# Altium PCB PCB_V6.PcbDoc
Units mil, origin at the board's own origin, x right, y up, seen from the top; angles counter-clockwise.
Board outline 2401.03 x 3703.1 mil, 2 copper layers (Top Layer, Bottom Layer), stack 34.296 mil thick; 79 components, 76 nets, 266 pads, 50 vias.
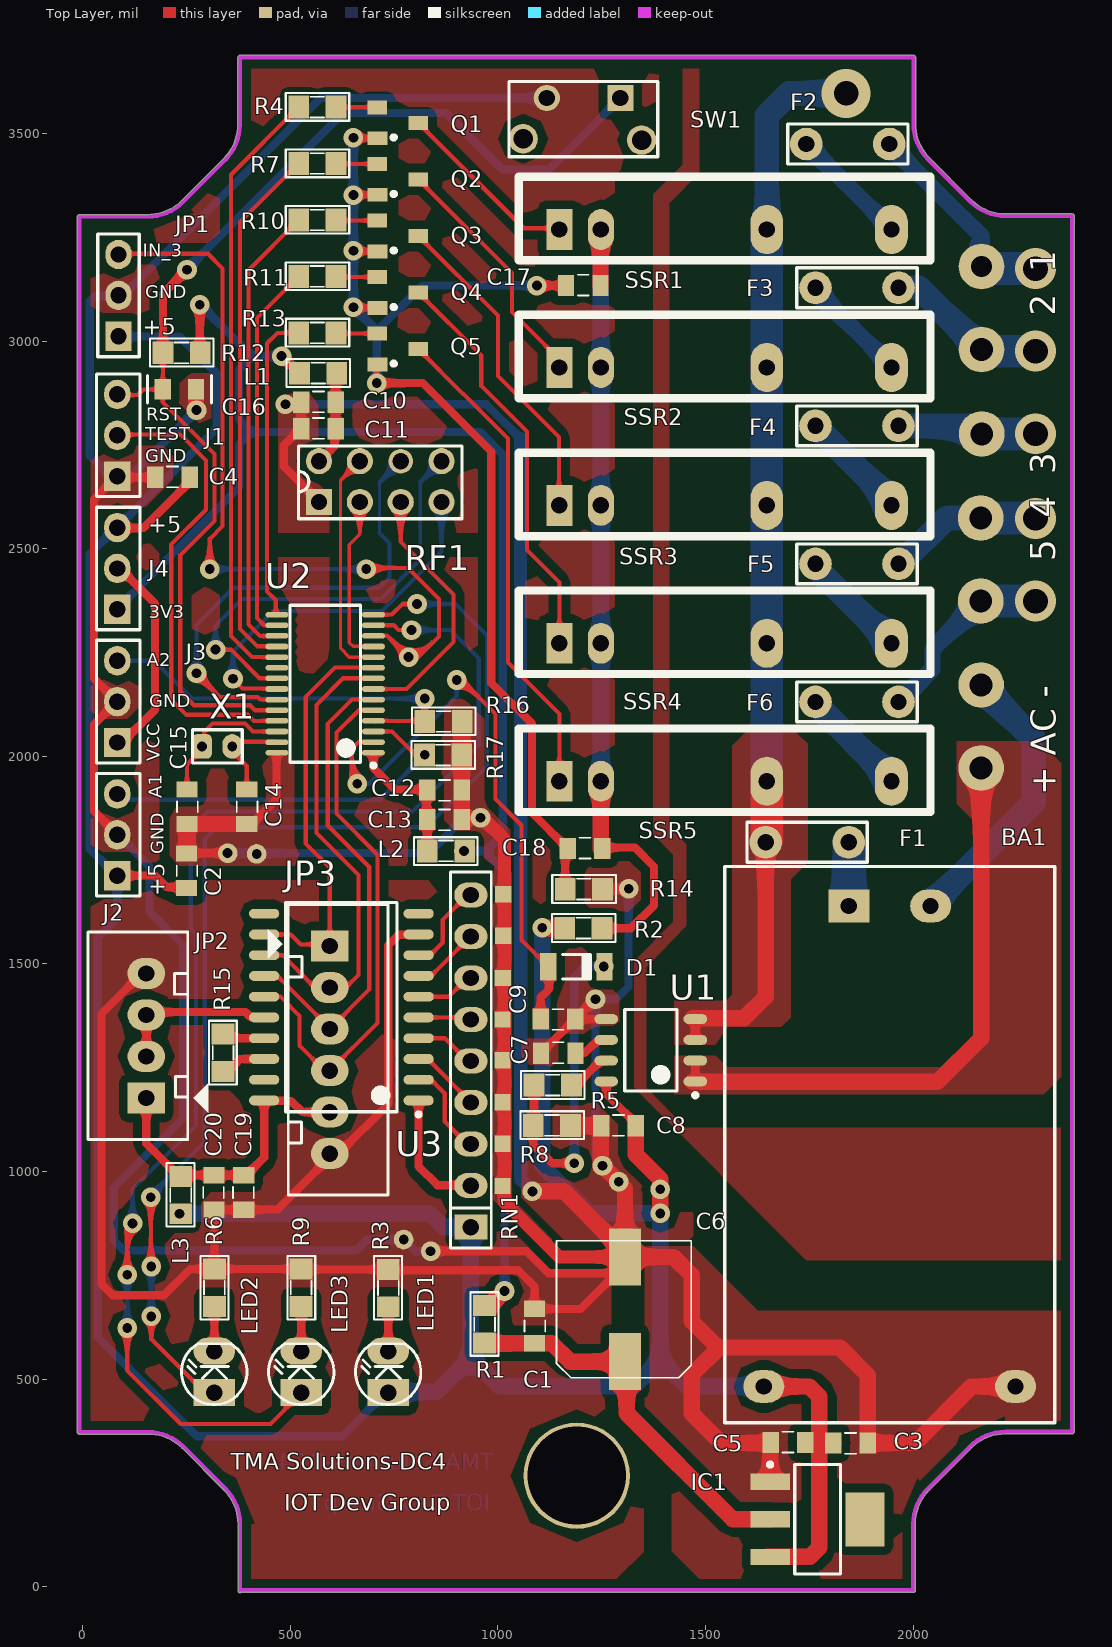
[diagram p0: Top Layer view]
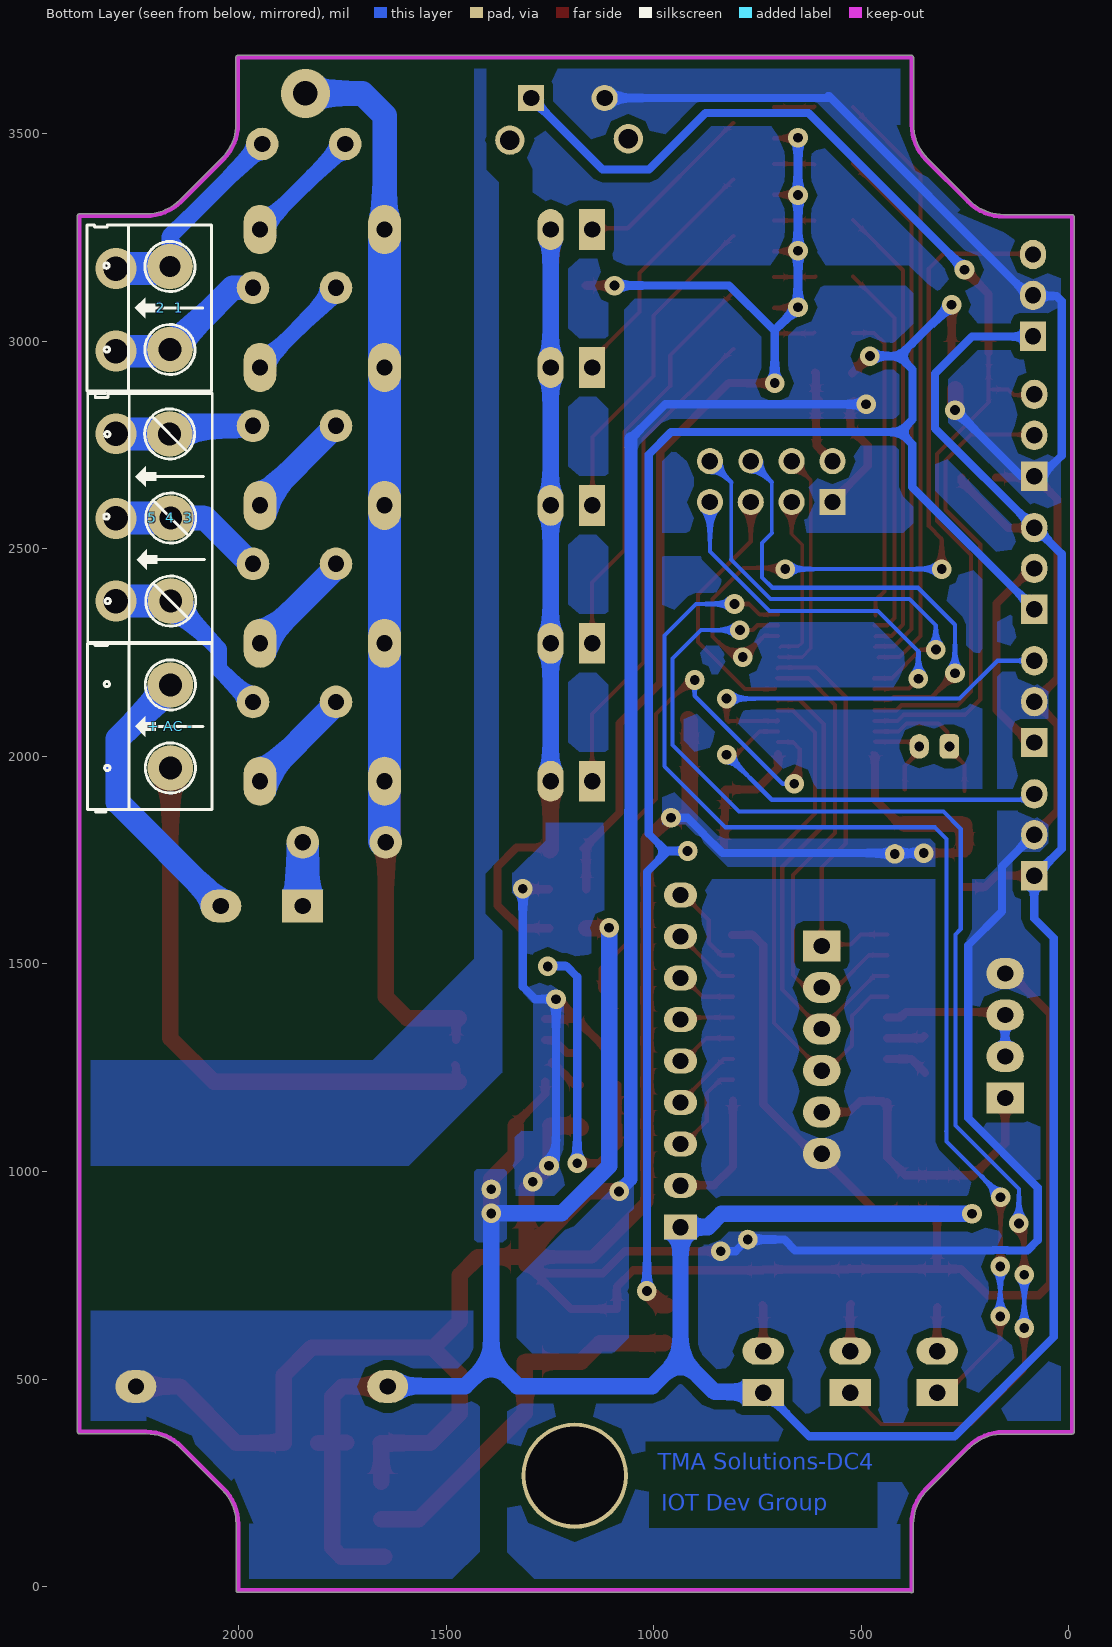
[diagram p1: Bottom Layer view, seen from below]

## Layer stack, top to bottom
Top Solder: solder mask 0.4, Solder Resist, Dk 3.5
Top Layer: signal copper 1.4
Dielectric 1: dielectric 31.4961, FR-4, Dk 4.8
Bottom Layer: signal copper 1.4
Bottom Solder: solder mask 0.4, Solder Resist, Dk 3.5

## Board outline
157,367.45 cw(c157,251.75) 238.81,333.56 340.1,232.27 cw(c343.64,235.82) 340.08,232.29 340.1,232.27 cw(c258.29,150.46) 373.99,150.46 373.99,-9.54 ccw(c379,-9.54) 382.1,-13.48 1998.28,-13.48 ccw(c2000.54,-9) 2005.55,-9 2005.55,151 cw(c2121.25,151) 2039.44,232.81 2140.73,334.1 cw(c2137.18,337.64) 2140.71,334.08 2140.73,334.1 cw(c2222.54,252.29) 2222.54,367.98 2382.54,367.98 ccw(c2382.54,373) 2382.77,367.99 ccw(c2383,373) 2388.01,373 2388.01,3301.54 ccw(c2383,3301.54) 2383,3306.55 2223,3306.55 cw(c2223,3422.25) 2141.19,3340.44 2039.9,3441.73 cw(c2036.36,3438.18) 2039.92,3441.71 2039.9,3441.73 cw(c2121.71,3523.54) 2006.01,3523.54 2006.01,3683.54 ccw(c2001,3683.54) 2001,3688.55 379,3688.55 ccw(c379,3683.54) 374.06,3684.4 ccw(c378.46,3682) 373.45,3682 373.45,3522 cw(c257.75,3522) 339.56,3440.19 ccw(c343.11,3436.64) 339.55,3440.17 339.56,3440.19 238.27,3338.9 cw(c241.82,3335.36) 238.29,3338.92 238.27,3338.9 cw(c156.46,3420.71) 156.46,3305.02 -8,3305.02 ccw(c-8,3300) -13.01,3300 -13.01,372.46 ccw(c-8,372.46) -8,367.45

## Design rules (kind name [scope] priority, off if disabled: settings)
Clearance [All] p1: gap=20 ignorepadtopadclearanceinfootprint=FALSE
DiffPairsRouting [All] p1: maxlimit=20 minlimit=20 mostfreqgap=20 toplayer_minwidth=15 toplayer_maxwidth=15 toplayer_prefwidth=15 bottomlayer_minwidth=15 bottomlayer_maxwidth=15 bottomlayer_prefwidth=15 maxuncoupledlength=500
PlaneClearance [All] p1: clearance=22
PlaneConnect [All] p1: planeconnectstyle=Direct reliefexpansion=20 reliefentries=4 reliefconductorwidth=10 reliefairgap=10
PolygonConnect [All] p1: connectstyle=Direct reliefconductorwidth=10 reliefentries=4 polygonreliefangle="90 Angle" airgapwidth=10
RoutingVias [All] p1: holewidth=23.62 width=47.24 viastyle="Through Hole" minholewidth=23.62 minwidth=47.24 maxholewidth=23.62 maxwidth=47.24
SolderMaskExpansion [All] p1: expansion=4
UnRoutedNet [All] p1: checkbadconnections=TRUE
Width [All] p1: maxlimit=39.37 minlimit=10 preferedwidth=19.68
26 further rules are at their usual default settings.

## Components (designator, comment, footprint, x,y, rotation, side; value= is the part's Value field where it differs from the comment)
"2  1" "Header 2" HED2#1 2165,2980 r90 bottom (schematic designator HD2)
"5  4  3" "Header 3" HED3 2163,2374 r90 bottom (schematic designator HD3)
"+ AC -" "Header 2" HED2#2 2164,1972 r90 bottom (schematic designator HD1)
BA1 "*" "bien ap 5V-700ma" 1845.35,1639.48 r0 top
C1 "103" CM-0805 1088,628 r270 top
C2 "103" CM-0805 250,1725 r270 top
C3 "103" CM-0805 1850,346 r180 top
C4 "103" CM-0805 216,2672 r0 top
C5 "103" CM-0805 1698,347 r0 top
C6 "220uF" CAPAE7053X54M 1306,668 r90 top
C7 "104" CM-0805 1145,1285 r0 top value=103
C8 "104" CM-0805 1290,1110 r0 top value=103
C9 "103" CM-0805 1145,1367 r180 top
C10 "104" CM-0805 567,2853 r0 top value=103
C11 "105" CM-0805 567,2789 r0 top value=103
C12 "105" CM-0805 872,1919.09 r180 top value=103
C13 "104" CM-0805 872,1848.09 r180 top value=103
C14 "12P" CM-0805 395,1879 r270 top value=103
C15 "12P" CM-0805 251,1879 r270 top value=103
C16 "Capacitor Ceramic" C0805 232.88,2884 r180 top value=33p
C17 "105" CM-0805 1205,3134 r0 top value=103
C18 "103" CM-0805 1209,1778 r0 top
C19 "105" CM-0805 388,949 r90 top value=103
C20 "103" CM-0805 316,949 r90 top
D1 "1N4148" DIOMELF3615N 1189,1493 r180 top
F1 "A2" "Fuse 2A - duplicate" 1645,1793 r0 top
F2 "*" "Fuse 2A - duplicate" 1743,3475 r0 top
F3 "*" "Fuse 2A - duplicate" 1765,3128.67 r0 top
F4 "*" "Fuse 2A - duplicate" 1765,2796.11 r0 top
F5 "*" "Fuse 2A - duplicate" 1765,2463.56 r0 top
F6 "*" "Fuse 2A - duplicate" 1765,2131 r0 top
IC1 "LM1117" SOT223-4N 1770,162 r0 top value=LM317
J1 "Debug" Con3 83,2675 r180 top
J2 "con3" Con3 83,1712.57 r180 top
J3 "con3" Con3 83,2033.38 r180 top
J4 "Jumper" Con3 83,2354.19 r180 top
JP1 "JP3" CON3 86,3012 r180 top value="Connector 3"
JP2 "RF2" CON4 153,1177 r90 top value="Connector 4"
JP3 "JP6" CON6 595,1543 r270 top value="Connector 6"
L1 "10uH" SM-RES-0805 612,2923 r180 top value="R1/4W - 1K"
L2 "10uH" SM-RES-0805 830,1772.09 r0 top value="R1/4W - 1K"
L3 "10uH" SM-RES-0805 236,988 r270 top value="R1/4W - 1K"
LED1 "LED" LED-3 736,467 r90 top value="LED 3 ly Single Colour"
LED2 "LED" LED-3 317,467 r90 top value="LED 3 ly Single Colour"
LED3 "LED" LED-3 526.5,467 r90 top value="LED 3 ly Single Colour"
Q1 "C1815" SOT23B 759,3526 r270 top
Q2 "C1815" SOT23B 759,3389.75 r270 top
Q3 "C1815" SOT23B 759,3253.5 r270 top
Q4 "C1815" SOT23B 759,3117.25 r270 top
Q5 "C1815" SOT23B 759,2981 r270 top
R1 "1ohm" SM-RES-0805 968,677 r270 top value="R1/4W - 1K"
R2 "1ohm" SM-RES-0805 1251,1586 r180 top value="R1/4W - 1K"
R3 "1k" SM-RES-0805 736,764 r270 top value="R1/4W - 1K"
R4 "1k" SM-RES-0805 610,3564 r180 top value="R1/4W - 1K"
R5 "1k" SM-RES-0805 1177,1208 r180 top value="R1/4W - 1K"
R6 "1k" SM-RES-0805 317,675 r90 top value="R1/4W - 1K"
R7 "1k" SM-RES-0805 610,3428 r180 top value="R1/4W - 1K"
R8 "1k" SM-RES-0805 1175,1111 r180 top value="R1/4W - 1K"
R9 "1k" SM-RES-0805 526,675 r90 top value="R1/4W - 1K"
R10 "1k" SM-RES-0805 610,3292 r180 top value="R1/4W - 1K"
R11 "1k" SM-RES-0805 610,3156 r180 top value="R1/4W - 1K"
R12 "47k" SM-RES-0805 283,2972 r180 top value="R1/4W - 1K"
R13 "1k" SM-RES-0805 610,3020 r180 top value="R1/4W - 1K"
R14 "1ohm" SM-RES-0805 1252,1680 r180 top value="R1/4W - 1K"
R15 "1m" SM-RES-0805 338,1331 r270 top value="R1/4W - 1K"
R16 "1k" SM-RES-0805 914,2084 r180 top value="R1/4W - 1K"
R17 "1k" SM-RES-0805 913,2003 r180 top value="R1/4W - 1K"
RF1 "*" "CC1101 - duplicate1" 569,2612.57 r90 top
RN1 "10K" RN8 935,866 r90 top value="Tro thanh 10K"
SSR1 "*" "OMRON g3mb" 1148,3269 r90 top
SSR2 "*" "OMRON g3mb" 1148,2936.75 r90 top
SSR3 "*" "OMRON g3mb" 1148,2604.5 r90 top
SSR4 "*" "OMRON g3mb" 1148,2272.25 r90 top
SSR5 "*" "OMRON g3mb" 1148,1940 r90 top
SW1 "RST" BUTTON 1306.81,3586 r270 top
U1 "ACS712" SOIC127P600X265-8N 1368.28,1292 r180 top
U2 "MSP430G2553" TSOP65P640X120-28N 584,2175 r180 top
U3 "*" SOP127P1040X265-20N 623,1396 r180 top
X1 "32768Hz" 32768hz 289.13,2024 r0 top

## Footprints (in the part's own frame and the unit in brackets; to place one, negate y for a bottom-side part, rotate by r counter-clockwise, add the part's x,y. Pads: shape width x height; smd on the part's side, far side on the other; paste and mask are expansions set on the pad)
32768hz [mm]
  rrect50% 1.2x1.5 hole 0.6: 1(-0.044,0)
  oval 1.2x1.5 hole 0.6: 2(1.8,0)
  silkscreen extent -0.64,-1.02 2.41,1.02, body extent -0.13,-6.87 1.87,0.27, height 2.2
"bien ap 5V-700ma" [mm]
  rect 2.5x2 hole 1: 1(0,0)
  oval 2.5x2 hole 1: 2(5,0) 3(10.2,-29.4) 4(-5.2,-29.4)
  silkscreen extent -7.6,-31.62 12.6,2.41, body extent -7.63,-31.48 12.57,2.52, height 15.1
BUTTON [mm]
  rect 1.6x1.6 hole 1: 1(0,-0.3)
  round 1.6 hole 1: 2(0,-4.8)
  round 1.8 hole 1.2: ""(2.5,-6.25) ""(2.58,1)
  silkscreen extent -1,-7.11 3.61,1.98, body extent -5.92,-6.83 3.98,1.67, height 8.4
C0805 [mil] "Chip Resistor; Body 2.0 x 1.3 mm (LxW typ)"
  rect 39.37x50 smd: 1(-40,0) 2(40,0)
  silkscreen extent -77,-33 77,33, body extent -39,-25 39,25, height 31
CAPAE7053X54M [mm] "Aluminum Electrolytic Capacitor, Body 5.30x5.30x5.40mm, IPC Low Density"
  rect 3.5x1.95 smd: 1(-3.2,0) 2(3.2,0)
  silkscreen extent -4.19,-4.06 4.19,4.19, body extent -4.57,-4.06 4.43,4.24, height 6.9
"CC1101 - duplicate1" [mm]
  rect 1.6x1.6 hole 1: 1(0,0)
  round 1.6 hole 1: 2(2.5,0) 3(0,-2.5) 4(2.5,-2.5) 5(0,-5) 7(0,-7.5) 8(2.5,-7.5)
  round 1.5 hole 1: 6(2.5,-5)
  silkscreen extent -1.02,-8.75 3.43,1.25, body extent -1.91,-11.3 77.95,3.56, height 10.75
CM-0805 [mm] "Capacitor SMD 80x50mil"
  rect 1x1.3 smd: 1(-1.041,0) 2(1.067,0)
  silkscreen extent -0.33,-0.61 0.36,0.66, body extent -1.01,-0.61 1.01,0.66, height 0.61
Con3 [mm]
  rect 1.6x1.8 hole 1: 1(0,0)
  oval 1.6x1.8 hole 1: 2(0,-2.5) 3(0,-5)
  silkscreen extent -1.4,-6.25 1.27,1.25, body extent -1.27,-6.27 1.27,1.35, height 9.5
CON3 [mm]
  rect 1.6x1.8 hole 1: 1(0,0)
  oval 1.6x1.8 hole 1: 2(0,-2.5) 3(0,-5)
  silkscreen extent -1.27,-6.25 1.27,1.25, body extent -1.27,-6.27 1.27,1.35, height 9.5
CON4 [mil] "CON4"
  rect 75x90 hole 39.37: 1(0,0)
  oval 75x90 hole 39.37: 2(100,0) 3(200,0) 4(300,0)
  silkscreen extent -100,-150 400,140, body extent -50,-94 350,138, height 462
CON6 [mil] "CON6"
  rect 75x90 hole 39.37: 1(0,0)
  oval 75x90 hole 39.37: 2(100,0) 3(200,0) 4(300,0) 5(400,0) 6(500,0)
  silkscreen extent -100,-150 600,140
DIOMELF3615N [mm] "MELF Diode, 2-Leads, Body 3,55x1,45mm, IPC Medium Density"
  rect 1x1.7 smd: 1(-1.725,0) 2(1.725,0)
  silkscreen extent -0.85,-0.75 0.85,0.75, body extent -1.85,-0.76 1.85,0.84, height 1.6
"Fuse 2A - duplicate" [mm]
  round 2 hole 1 paste+0: 1(0,0)
  round 2 hole 1: 2(5.08,0)
  silkscreen extent -1.14,-1.22 6.22,1.22, body extent -1.11,-0.82 6.29,0.88, height 16
HED2#1 [mil] "Header 2, 2 pin, hight 300mil, Pin to Pin 200, Colour Green"
  round 110 hole 55.12: 1(0,0)
  round 110 hole 50: 2(200,0)
  silkscreen extent -106,-100 300,200, body extent -98,-127 302,168, height 394
HED2#2 [mil] "Header 2, 2 pin, hight 300mil, Pin to Pin 200, Colour Green"
  round 110 hole 55.12: 1(0,0) 2(200,0)
  silkscreen extent -106,-100 300,200, body extent -98,-127 302,168, height 394
HED3 [mil] "Header 3, 3 pin, hight 300mil, Pin to Pin 200, Colour Green"
  round 110 hole 55.12: 1(0,0) 2(200,0) 3(402.62,2.62)
  silkscreen extent -106,-100 500,200, body extent -99,-96 501,199, height 394
LED-3 [mil] "LED 2 PIN, 3ly Only colour"
  rect 65x100 hole 39.37: 1(0,0)
  oval 65x100 hole 39.37: 2(100,0)
  silkscreen extent -29,-78 118,79, body extent -25,-75 113,75, height 217
"OMRON g3mb" [mm]
  oval 3x2 hole 1: 1(0,-20.32) 2(0,-12.7)
  oval 2.5x1.6 hole 1: 3(0,-2.54)
  rect 2.5x1.6 hole 1: 4(0,0)
  silkscreen extent -1.88,-22.71 3.23,2.49, body extent -1.58,-22.36 2.92,2.14, height 14.3
RN8 [mil] "R SIP8, 9 Pin"
  rect 60x80 hole 39.37: 1(0,0)
  oval 60x80 hole 39.37: 2(100,0) 3(200,0) 4(300,0) 5(400,0) 6(500,0) 7(600,0) 8(700,0) 9(800,0)
  silkscreen extent -50,-49 855,49, body extent -43,-26 843,23, height 259
SM-RES-0805 [mil] "R 1/4W, 2 Pin, 350mil"
  rect 50x55 smd: 1(0,0) 2(90,0)
  silkscreen extent -32,-34 121,33, body extent 6,-25 84,25, height 31
SOIC127P600X265-8N [mm] "SOIC, 8-Leads, Body 4,95x3,95mm, Pitch 1,27mm, IPC Medium Density"
  oval 1.45x0.6 smd: 1(-2.725,1.905) 2(-2.725,0.635) 3(-2.725,-0.635) 4(-2.725,-1.905) 5(2.725,-1.905) 6(2.725,-0.635) 7(2.725,0.635) 8(2.725,1.905)
  silkscreen extent -2.85,-2.5 1.6,2.88, body extent -3,-2.45 3,2.45, height 1.7
SOP127P1040X265-20N [mm] "SOP, 20-Leads, Body 12.80x7.50mm, Pitch 1.27mm, IPC Medium Density"
  oval 1.85x0.6 smd: 1(-4.725,5.715) 2(-4.725,4.445) 3(-4.725,3.175) 4(-4.725,1.905) 5(-4.725,0.635) 6(-4.725,-0.635) 7(-4.725,-1.905) 8(-4.725,-3.175) 9(-4.725,-4.445) 10(-4.725,-5.715) 11(4.725,-5.715) 12(4.725,-4.445) 13(4.725,-3.175) 14(4.725,-1.905) 15(4.725,-0.635) 16(4.725,0.635) 17(4.725,1.905) 18(4.725,3.175) 19(4.725,4.445) 20(4.725,5.715)
  silkscreen extent -4.85,-6.4 3.4,6.69, body extent -5.15,-6.35 5.15,6.35, height 2.51
SOT23B [mm] "SOT 23B"
  rect 0.85x1.2 smd: 1(0.94,-1.245) 2(0,1.25) 3(-0.95,-1.25)
  silkscreen extent 0.77,-0.38 1.02,-0.13, body extent -1.5,-1.3 1.5,1.2, height 1.06
SOT223-4N [mm] "SOT223, 4-Leads, Body 6.5x3.5mm, Pitch 2.3mm, Lead Span 7mm, IPC Medium Density"
  rect 2.4x1 smd: 1(-2.9,2.3) 2(-2.9,0) 3(-2.9,-2.3)
  rect 2.4x3.3 smd: 4(2.9,0)
  silkscreen extent -3.02,-3.35 1.4,3.47, body extent -3.39,-3.27 3.5,3.23, height 1.72
TSOP65P640X120-28N [mm] "TSOP, 28-Leads, Body 9.60x4.40mm, Pitch 0.65mm, IPC Medium Density"
  oval 1.4x0.35 smd: 1(-2.95,4.225) 2(-2.95,3.575) 3(-2.95,2.925) 4(-2.95,2.275) 5(-2.95,1.625) 6(-2.95,0.975) 7(-2.95,0.325) 8(-2.95,-0.325) 9(-2.95,-0.975) 10(-2.95,-1.625) 11(-2.95,-2.275) 12(-2.95,-2.925) 13(-2.95,-3.575) 14(-2.95,-4.225) 15(2.95,-4.225) 16(2.95,-3.575) 17(2.95,-2.925) 18(2.95,-2.275) 19(2.95,-1.625) 20(2.95,-0.975) 21(2.95,-0.325) 22(2.95,0.325) 23(2.95,0.975) 24(2.95,1.625) 25(2.95,2.275) 26(2.95,2.925) 27(2.95,3.575) 28(2.95,4.225)
  silkscreen extent -3.08,-4.8 2.16,5.12, body extent -2.12,-4.8 2.38,4.8, height 1.2

## Part data
"2  1" "+ AC -": library part Hed2, "Header 2 (Green)"
"5  4  3": library part Hed3, "Header 3 (Green)"
BA1 C6 D1 F1 F2 F3 F4 F5 F6 SSR1 SSR2 SSR3 SSR4 SSR5 SW1 U2: library part Component_1
C1 C2 C3 C4 C5 C7 C8 C9 C10 C11 C12 C13 C14 C15 C17 C18 C19 C20: library part CM, "Cap SMD"
C16: library part CapSMD, "Capacitor", LatestRevisionDate=17-Jul-2002, LatestRevisionNote="Re-released for DXP Platform.", PackageReference=RAD-0.3, Published=8-Jun-2000, Publisher="Altium Limited"
IC1: "Available in 1.8V, 2.5V, 2.85V, 3.3V, 5V, and  Adjustable Versions"
J1 J4: library part con3
JP1: library part Con3, "Connector 3"
JP2: library part Con4, "Connector 4"
JP3: library part Con6, "Connector 6"
L1 L2 L3 R1 R2 R3 R4 R5 R6 R7 R8 R9 R10 R11 R12 R13 R14 R15 R16 R17: library part R1/4W, "Resistor 1/4W"
LED1 LED2 LED3: "LED Single colour Green and Red"
Q1 Q2 Q3 Q4 Q5: "NPN 600mW, ECB", =C2383
RF1: library part CC1101
RN1: library part RN8, "Resistor 8 (Thanh)"
U3: library part PT2272

## Free pads (board coordinates)
  rect 39.37x39.37 smd: 0(1011,965) 5(1011,1067) 6(1011,1167) 7(1011,1268) 8(1011,1366) 9(1012,1466) 10(1013,1568) 11(1013,1668)
  round 47.24 hole 23.62: 2(419,1765) 3(773,836) 4(1391,957)
  round 255.91 hole 236.22: ""(1189.91,267.13)

## Via types
v1: diameter 47.24, hole 23.62, Top Layer to Bottom Layer, 44 vias
v2: diameter 98.43, hole 59.06, Top Layer to Bottom Layer, 5 vias
v3: diameter 118.11, hole 59.06, Top Layer to Bottom Layer, 1 vias

## Nets (pads, with @x,y where several pads share a name; then routed paths per layer and width w, separated by ;. In a path a pad name is that pad's centre, name@x,y a point inside that pad or via, vN(x,y) a via of type N, cw(c..) or ccw(c..) an arc to the next point about the centre after c; other vN are vias at no path point)
3V3: J4.1 L1.2 L2.2 R1.1 R12.1 | length 4014.1
  Top Layer w19.68: R12.1@282,2969 v1(282,3088) ; v1(479,2964) 479,2966 L1.2
  Top Layer w39.37: R1.1 981,677 v1(1016,712)
  Bottom Layer w19.68: J4.1 83,2355 377,2649 377,2752 406,2781 ; v1(282,3088) 280,3088 v1@278,3090 ; v1(479,2964) 408,2964 ; v1(918,1772) 966,1772 968,1770 ; v1(1016,712) 1016,1720 1015,1721 1016,1722 968,1770 ; v1@278,3090 276,3092 274,3090 v1@278,3090 ; v1@278,3090 281,3090 377,2994 378,2994 408,2964 ; 406,2781 958,2781 1011.59,2727.41 1011.59,1813.59 968,1770 ; 406,2781 376,2811 376,2932 408,2964
+5: BA1.4 C2.2 C3.2 C4.2 C5.2 C8.2 IC1.3 J2.1 J4.3 JP1.1 L3.2 LED1.1 pad.4 R2.2 RN1.1 U1.8 | length 8526.2
  Top Layer w19.68: J2.1 174.43,1712.57 202,1685 C2.2@253,1685 ; J4.3@88,2548 90,2550 146,2550 258,2662 C4.2 ; v1(233,898) 232,898 234,896 L3.2 ; U1.8 1261,1187 C8.2@1333,1115
  Top Layer w39.37: v1@1106,1586 R2.2 R2.2@1162,1586 ; C8.2 1332,1041 1391,982 ; v1(1391,899) 1391,956 pad.4@1391.5,956.5 ; pad.4 1391,981 ; BA1.4@1636.7,482 BA1.4 1750,482 1774,458 1774,348 ; IC1.3@1649,72 1752,72 1774,94 1774,347 ; C5.2 1774,347 ; 1771,351 1774,348 ; C3.2 1776,346 1774,348 ; 1774,347 1774,348
  Bottom Layer w19.68: J2.1 83,1609 36,1562 36,601 275,362 625,362 LED1.1@729,466 ; J2.1@84,1714 80,1714 16.84,1777.16 16.84,2487.84 80.04,2551.04 J4.3 322,2790.04 322,2922 233,3011 JP1.1@87,3011 ; LED1.1@738,475 LED1.1@729,466 ; LED1.1@740,466 LED1.1@729,466 ; RN1.1@906,870 RN1.1@936,870
  Bottom Layer w39.37: v1(233,898) 837,898 869,866 RN1.1 935,551 ; LED1.1@735,469 853,469 935,551 ; v1(1107,1587) 1107,1013 1221,899 v1(1391,899) 1391,546 ; BA1.4@1643,479 1639,483 1454,483 1391,546 ; 935,551 1003,483 1328,483 1391,546
GND: BA1.3 C1.1 C2.1 C3.1 C4.1 C5.1 C6.2 C7.1 C8.1 C9.1 C10.1 C11.1 C12.1 C13.1 C14.2 C15.2 C16.1 C19.1 C20.1 IC1.1 J1.1 J2.2 J3.2 JP1.2 JP2.4 JP3.6 pad.0 pad.2 pad.3 pad.5 pad.6 pad.7 pad.8 pad.9 pad.10 pad.11 R3.1 R6.2 R8.1 R9.2 R14.1 R16.1 R17.1 RF1.1 SW1.2 U1.5 U2.28 U3.9 | length 17957.7
  Top Layer w10: U2.28@467,2002 U2.28@473,2008
  Top Layer w19.68: J1.1@83,2672 C4.1 ; J2.2@86,1810 85,1810 26.84,1868.16 26.84,2076.84 81.81,2131.81 J3.2 26.84,2187.97 26.84,2618.84 82,2674 J1.1@86,2674 ; JP2.4 142,1477 45,1380 45,729 72,702 196,702 259,765 R6.2 ; C2.1 251,1767 v1(349,1767) ; C20.1@312,905 317,900 R6.2 ; C20.1 379,908 C19.1@380,907 ; C19.1 469,908 592,1031 JP3.6@592,1043 ; C14.2 408,1837 467,1896 U2.28@467,2002 ; v1(488,2848) 510,2848 518,2856 C10.1@521,2853 ; R9.2 R6.2 ; C11.1 C11.1@526,2791 ; C10.1@526,2849 C11.1@526,2791 ; R9.2@528,767 531,764 R3.1 738,762 1049,762 1088,723 1088,713 ; RF1.1 569,2614 484,2699 484,2749 C11.1@526,2791 ; JP3.6@591,1046 594,1043 JP3.6 616,1043 736,1163 736,1545 761,1570 U3.9@811,1570 ; v1(838,808) 1069,808 1122,755 1272,755 1276,759 1276,789 1280.98,793.98 C6.2@1292,805 ; 1089,711 1088,712 ; 1089,714 1088,713 ; C7.1 1185,1366 1186,1366 1187,1367 U1.5 ; C9.1 1234,1415 v1(1235,1415) ; R14.1 v1@1316,1680 ; C6.2@1320,790 1306,776 1199,669 C1.1 1088,712 ; 1088,712 1088,713
  Top Layer w31.5: C13.1@913,1852.09 963.91,1852.09 1016,1800 1016,1568 1016,926 1148.02,793.98 C6.2@1271.02,793.98
  Top Layer w39.37: C2.1@251,1778 C15.2@251,1834 ; C15.2@259,1837 C14.2 ; C16.1 272.88,2838.12 v1@276,2835 ; C13.1@913,1852.09 C12.1 R17.1 913,2085 R16.1@917,2089 ; v1(1083,952) 1159,952 1280.98,830.02 C6.2@1280.98,793.98 ; R8.1@1175,1105 1180,1110 C8.1 ; C8.1@1248,1108 1248,1017 1251,1014 v1(1252,1014) v1(1291,975) ; C6.2@1271.02,793.98 C6.2@1276,789 ; C6.2@1306,776 C6.2 ; v1@1306,959 C6.2 ; 1531,575 1467,639 1467,750 1423.02,793.98 C6.2 ; IC1.1 C5.1@1655.83,346 ; C5.1@1657,346 C5.1@1655.83,346 ; BA1.3@2250,482 BA1.3 2141,482 2005,346 C3.1 1891,509 1824,576 1533,576 1467,510 1467,417 1538,346 C5.1@1655.83,346
  Bottom Layer w19.68: J2.2 85,1811 161,1735 161,1626 242,1545 242,1129 74.68,961.69 74.68,834.32 99,810 148.1,810 148.63,810.53 181.37,810.53 181.9,810 659,810 685,836 pad.3 ; JP1.2@83,3109 29,3109 16.84,3096.84 16.84,2724.16 65,2676 116,2676 v1(274,2834) ; JP1.2 97.43,3110.43 573,3586 ; v1@350,1769 352,1767 834,1767 881.47,1814.47 881.47,1815.47 918,1852 v1(958,1852) ; v1(488,2848) 972,2848 1054,2766 ; 580,3590 577,3590 573,3586 ; pad.3@771,839 802,808 v1(838,808) ; v1(1083,952) v1@1083,953 ; SW1.2 573,3586 ; v1@1235,1030 v1(1235,1415) 1285,1415 1315,1445 v1@1315,1680
  Bottom Layer w31.5: 1054,2766 1055,981 v1@1083,953
  other v1: 1315,1681
NetBA1_1: BA1.1 F1.2 | length 157.3
  Bottom Layer w39.37: F1.2@1837,1792 F1.2@1845,1784 ; BA1.1@1841.43,1639.48 BA1.1@1845,1643.06
  Bottom Layer w78.74: BA1.1@1845,1643.06 F1.2@1845,1784
NetBA1_2: "+ AC -.2" BA1.2 | length 691.3
  Bottom Layer w39.37: BA1.2@2048,1634 2053,1639 BA1.2@2053,1652 ; 2164,2169 2164,2172
  Bottom Layer w59.06: BA1.2@2053,1652 2291,1890 2291,2042 2164,2169
NetC1_2: C1.2 C6.1 IC1.2 R1.2 | length 926.9
  Top Layer w39.37: R1.2@973,588 975,586 C1.2 1130,586 1173.98,542.02 C6.1 ; C6.1@1310,541 1310,418 1566,162 IC1.2
NetC7_2: C7.2 U1.6 | length 87.3
  Top Layer w19.68: C7.2 1209,1285 1241,1317 U1.6
NetC9_2: C9.2 D1.2 U2.2 | length 1431
  Top Layer w10: v1(661,1934) 661,1937 648,1950 648,2018 664.25,2034.25 U2.2 ; v1(901,2184) 912,2184 994,2102 994,1897 1057,1834 1057,1557.09 D1.2
  Top Layer w19.68: C9.2 1103,1419 1123,1439 D1.2@1123,1487
  Bottom Layer w10: v1(661,1934) 689,1934 901,2146 v1(901,2184)
NetC10_2: C10.2 C11.2 L1.1 RF1.2 | length 239.5
  Top Layer w19.68: RF1.2 607,2749 C11.2@607,2790 ; C10.2@602,2858 609,2851 C11.2 ; C10.2 609,2923 L1.1@611,2925
NetC12_2: C12.2 C13.2 L2.1 U2.1 | length 337.1
  Top Layer w19.68: U2.1@700,2005 700,1972 752,1920 826,1920 C12.2@828,1918 ; C13.2@828,1848.09 C12.2@828,1918 ; L2.1 C13.2 C13.2@830,1853.09 ; C12.2@830,1916 C12.2@828,1918
NetC14_1: C14.1 U2.27 X1.2 | length 231.2
  Top Layer w10: X1.2@352.12,2024 352.12,2025.12 362,2035 U2.27@466,2035 ; X1.2@356,2016 395,1977 C14.1
NetC15_1: C15.1 U2.26 X1.1 | length 350.5
  Top Layer w10: C15.1@251,1917 C15.1 251,1980 292,2021 292,2058 313,2079 390.43,2079 409.59,2059.84 U2.26
NetC16_2: C16.2 J1.3 R12.2 SW1.1 U2.24 | length 2814.7
  Top Layer w10: J1.3@84,2869 85,2870 132,2870 146,2884 C16.2@184,2884 ; R12.2@192.88,2973.12 C16.2 192.88,2852.12 317,2728 317,2567 235,2485 235,2156 268,2123 403,2123 414.98,2111.02 U2.24
  Top Layer w19.68: R12.2 193,3114 v1(251,3172)
  Bottom Layer w19.68: J1.3 J1.3@83,2874 ; v1@251,3171 v1(251,3172) ; v1@251,3174 627,3550 875,3550 1011,3414 1123,3414 SW1.1
NetC17_1: C17.1 C18.1 Q1.1 Q2.1 Q3.1 Q4.1 Q5.1 R14.2 | length 2877.5
  Top Layer w10: v1(652,3082) 655.75,3080.25 Q4.1 ; v1(652,3218) 654,3217 654.5,3216.5 Q3.1 ; v1(652,3352) 652.75,3352.75 Q2.1 ; v1(652,3490) 653,3489 Q1.1 ; v1(708,2899) 708,2942 Q5.1
  Top Layer w19.68: v1@701,2899 v1(708,2899) 819,2899 984,2734 984,2177 1081.84,2079.16 1081.84,1864.16 C18.1 ; v1(1094,3134) C17.1 ; R14.2 1162,1773 C18.1@1165,1776
  Bottom Layer w19.68: v1@651,3350 v1@652,3351 ; v1(652,3490) v1(652,3352) v1@652,3351 ; v1(708,2899) 708,3026 710.5,3028.5 711.5,3027.5 818,3134 v1(1094,3134) ; 709,3029 709.5,3029.5 705.5,3029.5 652,3083 v1(652,3218) v1@652,3351
NetC17_2: C17.2 C18.2 R2.1 SSR1.3 SSR2.3 SSR3.3 SSR4.3 SSR5.3 | length 2005.1
  Top Layer w19.68: SSR5.3@1241,1931 SSR5.3@1243,1929 ; R2.1 1321,1586 1376,1641 1376,1734 1330,1780 C18.2@1253,1780
  Top Layer w39.37: C17.2 SSR1.3@1247,3263 ; SSR5.3 1248,1776 C18.2@1250,1774
  Bottom Layer w39.37: SSR4.3@1244,2270 1248,2266 SSR5.3 ; SSR2.3@1245,2937 1248,2934 SSR3.3 ; SSR4.3 SSR3.3@1248,2600 ; SSR2.3 1248,3263 SSR1.3@1251,3266
NetC19_2: C19.2 C20.2 JP2.1 JP3.5 L3.1 U3.20 | length 745.9
  Top Layer w19.68: JP2.1@147,1184 153,1178 JP2.1 153,1067 232,988 L3.1 ; L3.1@236,993 238,991 C20.2 ; C20.2@317,989 319,991 C19.2 394,991 437,1034 U3.20@437,1167 ; U3.20@448,1170 502,1170 529,1143 JP3.5
NetD1_1: D1.1 R5.2 R8.2 | length 800.8
  Top Layer w19.68: R8.2 1085,1065 1130,1020 v1(1184,1020) ; R8.2@1087,1109 R5.2 ; v1(1255,1494) 1255.91,1494 D1.1 D1.1@1260,1493
  Bottom Layer w19.68: v1(1184,1020) 1184,1469 1210,1495 v1@1257,1495
NetF1_1: F1.1 SSR1.2 SSR2.2 SSR3.2 SSR4.2 SSR5.2 U1.3 U1.4 | length 2738
  Top Layer w19.68: U1.3 U1.4
  Top Layer w39.37: U1.4@1469,1369 U1.4@1475.57,1369 ; U1.4 U1.4@1475.57,1369 ; F1.1 F1.1@1645,1790 ; F1.1@1647,1792 F1.1@1645,1790 ; F1.1@1647,1798 F1.1@1648,1799 ; U1.4@1475.57,1369 1593,1369 1645,1421 F1.1@1645,1790
  Top Layer w78.74: F1.1@1648,1799 SSR5.2
  Bottom Layer w39.37: SSR4.2@1644,2274 SSR4.2@1648,2270 ; F1.1 F1.1@1649,1797 ; SSR5.2 SSR5.2@1648,1942 ; SSR3.2@1648,2599 SSR3.2@1651,2602 ; SSR1.2@1648,3265 SSR1.2@1649,3266 ; SSR5.2@1649,1941 SSR5.2@1648,1942 ; SSR5.2@1651,1945 SSR5.2@1648,1942
  Bottom Layer w59.06: SSR1.2 1648,3543 1702,3597 v3(1839,3597)
  Bottom Layer w78.74: SSR5.2@1648,1942 SSR4.2@1648,2270 ; SSR4.2 SSR3.2@1648,2599 ; SSR3.2 SSR2.2 SSR1.2@1648,3265 ; F1.1@1649,1797 SSR5.2@1649,1941
NetF2_1: F2.1 SSR1.1 | length 287.1
  Bottom Layer w39.37: F2.1 SSR1.1@1946,3272
NetF2_2: "2  1.2" F2.2 | length 578.8
  Bottom Layer w39.37: F2.2 1943,3474.31 2119.72,3297.59 2120.41,3297.59 2166,3252 2166,3184 ; 2154,3192 2154,3230 ; v2@2296,3175 v2@2304,3175
  Bottom Layer w78.74: 2154,3192 2171,3175 v2(2295,3175) v2@2296,3175
NetF3_1: F3.1 SSR2.1 | length 269.7
  Bottom Layer w39.37: F3.1 1765,3122 SSR2.1@1951,2936
NetF3_2: "2  1.1" F3.2 | length 406
  Bottom Layer w59.06: F3.2 2013.33,3128.67 2163.02,2978.98 2165.12,2979.47 2166.22,2979.72 2165.64,2977.22 2169,2978
  Bottom Layer w78.74: 2169,2978 2170,2979 2173,2976 v2(2295,2976) v2@2304,2976
NetF4_1: F4.1 SSR3.1 | length 262.2
  Bottom Layer w39.37: SSR3.1@1944.11,2617 SSR3.1@1953,2617
  Bottom Layer w59.06: F4.1 SSR3.1@1944.11,2617
NetF4_2: "5  4  3.3" F4.2 | length 351.6
  Bottom Layer w39.37: 2143.89,2796.11 2160,2780 ; v2@2303,2777 2311.24,2777 v2@2305.12,2783.12
  Bottom Layer w59.06: F4.2 2143.89,2796.11
  Bottom Layer w78.74: 2165.62,2776.62 v2@2298.62,2776.62
  other v2: 2295,2777
NetF5_1: F5.1 SSR4.1 | length 268.2
  Bottom Layer w39.37: F5.1@1761,2459.25 F5.1@1761,2463
  Bottom Layer w59.06: F5.1@1761,2459.25 SSR4.1
NetF5_2: "5  4  3.2" F5.2 | length 400.2
  Bottom Layer w39.37: v2@2291,2590 2308,2573 v2@2297,2573
  Bottom Layer w59.06: F5.2@1971,2465 2080,2574 2163,2574
  Bottom Layer w78.74: 2163,2574 v2@2291,2574
  other v2: 2295,2573
NetF6_1: F6.1 SSR5.1 | length 264.9
  Bottom Layer w39.37: SSR5.1 SSR5.1@1948,1944
  Bottom Layer w59.06: F6.1@1763.5,2128.5 SSR5.1@1948,1944
NetF6_2: "5  4  3.1" F6.2 | length 468
  Bottom Layer w39.37: F6.2@1956,2130 F6.2@1965,2130 ; F6.2@1965,2129 2047,2211 2047,2258 2163,2374
  Bottom Layer w78.74: 2163,2374 v2(2295,2374)
NetHD1_1: "+ AC -.1" U1.1 U1.2 | length 1429.5
  Top Layer w19.68: U1.1 1475.57,1253.57 U1.2@1478,1256
  Top Layer w39.37: U1.1@1469,1216 2059,1216 2164,1321 2164,1972
NetJ1_2: J1.2 U2.25 | length 1126.7
  Top Layer w10: J1.2@83,2775 235,2775 297,2713 297,2594 213,2510 213,2137 250,2100 397.72,2100 412.28,2085.43 U2.25
NetJ2_3: J2.3 R17.2 U2.3 | length 945
  Top Layer w10: U2.3 745.16,2059.84 799,2006 R17.2@818,2006 ; R17.2@811,2004 v1(824,2004)
  Bottom Layer w10: J2.3 97.05,1895.38 715.38,1895.38 v1(824,2004)
NetJ3_1: J3.1 J4.2 | length 497.6
  Top Layer w19.68: J4.2 89.38,2452.62 174,2368 174,2112 93,2031 J3.1@93,2030
NetJ3_3: J3.3 R16.2 U2.4 | length 960.2
  Top Layer w10: U2.4@700,2086 U2.4@700.57,2085.43 ; U2.4 U2.4@700.57,2085.43 ; U2.4@702,2087.17 U2.4@703.73,2085.43 ; U2.4@702.3,2083.7 U2.4@700.57,2085.43 ; U2.4@705.17,2084 U2.4@703.73,2085.43 ; R16.2@819,2083 816.57,2085.43 U2.4@703.73,2085.43 ; R16.2@824,2088 v1(824,2139) ; v1@826,2134 v1@828,2136 ; U2.4@700.57,2085.43 U2.4@703.73,2085.43
  Bottom Layer w10: J3.3 171.77,2230.23 263,2139 v1(824,2139)
NetJP1_3: JP1.3 U2.12 | length 1876.2
  Top Layer w10: JP1.3 87.77,3210.62 301.38,3210.62 337,3175 337,2555 306,2524 v1(306,2451) ; v1@683,2454 783,2454 858,2379 858,2289 808,2239 v1(785,2239) 733.84,2290.16 U2.12
  Bottom Layer w10: v1(306,2451) v1(683,2451)
NetJP2_2: JP2.2 JP2.3 U3.16 | length 372.2
  Top Layer w19.68: JP2.2@151,1274 153,1276 JP2.2 ; JP2.3@174,1384 392,1384 405,1371 U3.16
  Bottom Layer w19.68: JP2.2 JP2.3
NetJP3_1: JP3.1 U2.9 U3.12 | length 988.2
  Top Layer w10: U3.12 501,1571 525,1547 JP3.1@595,1547 ; JP3.1 JP3.1@595,1547 ; JP3.1@597,1547 JP3.1@595,1547 ; U2.9@701,2212 699,2214 608,2214 537,2143 537,1790 595,1732 JP3.1@595,1547
NetJP3_2: JP3.2 U2.8 U3.13 | length 1087.4
  Top Layer w10: U3.13 481,1521 JP3.2@554,1448 ; JP3.2 634,1443 664,1473 664,1714.15 563,1815.15 563,2124 627,2188 701,2188 U2.8@702,2189
NetJP3_3: JP3.3 U2.6 U3.14 | length 1158.4
  Top Layer w10: U3.14 469,1471 JP3.3@593,1347 ; JP3.3 690,1438 690,1734 590,1834 590,2078 649,2137 698,2137 U2.6@700,2135
NetJP3_4: JP3.4 U2.5 U3.15 | length 1271.7
  Top Layer w10: U3.15 476,1421 522,1375 522,1303 JP3.4@579,1246 ; JP3.4 710,1358 710,1763 611,1862 611,2057 665,2111 U2.5@701,2111
NetLED1_2: LED1.2 R3.2 | length 111.8
  Top Layer w19.68: LED1.2 R3.2 736,676 R3.2@738,678
NetLED2_1: LED2.1 U2.14 | length 2863.9
  Top Layer w10: v1(164,938) 164,780 155,771 v1(165,771) ; v1(165,651) 165,596 294,467 LED2.1 LED2.1@318,467 ; U2.14 744.34,2341.34 770,2367 v1(805,2367)
  Bottom Layer w10: v1(164,938) 164,942 294,1072 294,1096 ; v1(165,651) v1(165,771) ; 295,1097 294,1096 ; v1(805,2367) 898,2367 974,2291 974,1976 827,1829 322,1829 294,1801 294,1096
NetLED2_2: LED2.2 R6.1 | length 106.4
  Top Layer w19.68: R6.1@316,673 317,672 LED2.2
NetLED3_1: LED3.1 U2.13 | length 3166.5
  Top Layer w10: v1(107,623) 107,521 236,392 452,392 526,466 526,468 LED3.1@533,475 ; v1@107,752 107,862 v1(120,875) ; U2.13 749.25,2315.75 761,2304 v1(792,2304)
  Bottom Layer w10: v1(107,623) 106,624 107,625 v1(107,751) ; v1(120,875) 120,958 273,1111 273,1571.13 260,1584.13 260,1825 302,1867 794,1867 954,2027 954,2236 886,2304 v1(792,2304)
NetLED3_2: LED3.2 R9.1 | length 113.6
  Top Layer w19.68: R9.1@525,680 526.5,678.5 LED3.2
NetQ1_2: Q1.2 SSR1.4 | length 444
  Top Layer w10: Q1.2 1062.21,3272 SSR1.4@1147,3272
NetQ1_3: Q1.3 R4.1 | length 97.4
  Top Layer w10: R4.1@613,3565 614.6,3563.4 Q1.3
NetQ2_2: Q2.2 SSR2.4 | length 589.1
  Top Layer w10: Q2.2 1034,3163.96 1034,3070 1147,2957 SSR2.4@1147,2941
NetQ2_3: Q2.3 R7.1 | length 97.3
  Top Layer w10: R7.1@613,3426 614.15,3427.15 Q2.3
NetQ3_2: Q3.2 SSR3.4 | length 780.8
  Top Layer w10: Q3.2 1000,3061.71 1000,2916 1147,2769 SSR3.4@1147,2613
NetQ3_3: Q3.3 R10.1 | length 98.2
  Top Layer w10: R10.1@612,3290 612.9,3290.9 Q3.3
NetQ4_2: Q4.2 SSR4.4 | length 985.7
  Top Layer w10: Q4.2 960,2965.46 960,2892 1070,2782 1070,2497 1148,2419 SSR4.4
NetQ4_3: Q4.3 R11.1 | length 100.3
  Top Layer w10: R11.1 611.35,3154.65 Q4.3
NetQ5_2: Q5.2 SSR5.4 | length 1182.2
  Top Layer w10: Q5.2 916,2873.21 916.79,2873.21 1024,2766 1024,2226 1148,2102 SSR5.4
NetQ5_3: Q5.3 R13.1 | length 97.9
  Top Layer w10: R13.1@613,3021 615.6,3018.4 Q5.3
NetR4_2: R4.2 U2.19 | length 1464.1
  Top Layer w10: U2.19@458,2238 457,2239 408,2239 357,2290 357,3401 R4.2
NetR5_1: R5.1 U1.7 | length 89.8
  Top Layer w19.68: R5.1 1189,1208 U1.7@1244,1263
NetR7_2: R7.2 U2.18 | length 1284.6
  Top Layer w10: U2.18@466,2263 464,2265 421,2265 379,2307 379,3287 R7.2
NetR10_2: R10.2 U2.17 | length 1102.1
  Top Layer w10: U2.17@465,2289 464,2290 427,2290 399,2318 399,3171 R10.2
NetR11_2: R11.2 U2.16 | length 919.4
  Top Layer w10: U2.16 437.25,2315.75 420,2333 420,3056 R11.2
NetR13_2: R13.2 U2.15 | length 750.1
  Top Layer w10: U2.15@465,2340 465,2376 444,2397 444,2995 469,3020 R13.2
NetR15_1: R15.1 U3.17 | length 91
  Top Layer w19.68: R15.1@348,1326 353,1321 U3.17
NetR15_2: R15.2 U3.18 | length 104.6
  Top Layer w19.68: R15.2@346,1238 379,1271 U3.18
NetRF1_3: RF1.3 U2.11 | length 407.2
  Top Layer w8: RF1.3 667.43,2535.43 642,2510 642,2274 651,2265 692.83,2265 U2.11@695,2262.83
  Top Layer w10: RF1.3 RF1.3@667.43,2613
NetRF1_4: RF1.4 U2.10 | length 557.3
  Top Layer w8: RF1.4 621,2664.57 621,2260 642,2239 698,2239 U2.10@699,2240
NetRF1_5: RF1.5 U2.7 | length 622.5
  Top Layer w10: U2.7@708,2163 709,2162 780,2162 893,2275 893,2390 765.85,2517.15 RF1.5
NetRF1_6: RF1.6 U2.23 | length 1160.9
  Top Layer w10: v1(274,2200) 274,2199 330,2143 421.28,2143 427.67,2136.61 U2.23
  Bottom Layer w8: 715,2538 715,2660.15
  Bottom Layer w10: v1(274,2200) 274,2317 363,2406 714,2406 739,2431 739,2514 715,2538 ; 715,2660.15 RF1.6
NetRF1_7: RF1.7 U2.22 | length 902.1
  Top Layer w10: v1@362.5,2185.5 385,2163 467.06,2163 U2.22
  Bottom Layer w10: v1(362,2187) 362,2253 459,2350 721,2350 864.28,2493.28 RF1.7
NetRF1_8: RF1.8 U2.21 | length 1052.7
  Top Layer w10: v1(320,2257) 357,2257 426,2188 U2.21@469,2188
  Bottom Layer w8: 813,2474 813,2659.72
  Bottom Layer w10: v1(320,2257) 320,2315 384,2379 718,2379 813,2474 ; 813,2659.72 RF1.8
NetRN1_2: RN1.2 U3.1 | length 303.6
  Top Layer w19.68: U3.1 809.02,1011.98 854,967 RN1.2@935,967
NetRN1_3: RN1.3 U3.2 | length 223.8
  Top Layer w10: U3.2 839,1221 872,1188 872,1120 RN1.3@928,1064
NetRN1_4: RN1.4 U3.3 | length 166.2
  Top Layer w10: U3.3 831,1271 RN1.4@933,1169
NetRN1_5: RN1.5 U3.4 | length 147.8
  Top Layer w10: U3.4 872,1321 RN1.5@932,1261
NetRN1_6: RN1.6 U3.5 | length 121.8
  Top Layer w10: U3.5 928,1371 RN1.6@930,1369
NetRN1_7: RN1.7 U3.6 | length 139.4
  Top Layer w10: U3.6 882,1421 RN1.7@929,1468
NetRN1_8: RN1.8 U3.7 | length 162.9
  Top Layer w10: U3.7 839,1471 RN1.8@933,1565
NetRN1_9: RN1.9 U3.8 | length 215.9
  Top Layer w10: U3.8 837,1521 867,1551 867,1606 RN1.9@931,1670
pads on no net: IC1.4 SW1. U2.20 U3.10 U3.11 U3.19

## Polygon pours and split planes (outlines as drawn)
NetHD1_1 on Top Layer "Bottom Layer-No Net" (solid, pour order 20): 2305,2036 2370,1971 2370,1241 2315,1186 1425,1186 1425,1279 1525,1279 1552.5,1251.5 2070.5,1251.5 2145,1326 2145,1846 2105,1886 2105,2036
no net on Top Layer "AutoNaming" (solid, pour order 68): 1485,3672 1445,3672 1445,3424.5 1374,3353.5 1374,1812.5 1423,1763.5 1423,1601.5 1328,1506.5 1328,1201.5 1743,786.5 2372,786.5 2372,1105.5 1453,1105.5 1357,1201.5 1357,1494.5 1360,1494.5 1454,1591.5 1454,1594.5 1454,1788.5 1413,1829.5 1413,1839.5 1412.97,3333.47 1417,3337.5 1485,3405.5
NetF1_1 on Top Layer "AutoNaming" (solid, pour order 136): 1609,2059 1610,2058 1719,2058 1719,2057 1746,2030 1746,1745 1705,1704 1705,1370 1683,1348 1552,1348 1523.87,1305 1425,1305 1425,1411 1550,1411 1566,1427 1564,1429 1564,2025 1597,2058 1607,2058
GND on Top Layer "AutoNaming" (solid, pour order 148): 1216,1792 1058,1793 1058,1595 1057,959 1056,958 1056,938 1163,831 1165,833 1470,831 1470,899 1292,1077 1292,1544 1385,1637 1385,1740 1384,1740 1331,1793 1219,1793
GND on Top Layer "AutoNaming" (solid, pour order 162): 1419,85 1419,334 1421,336 1354,403 1354,765 1352,767 1356,771 1356,820 1470,820 1627,663 1628,664 2373,664 2373,383 2208.42,383 ccw(c2208.42,283) 2137.71,353.71 2019.29,235.29 ccw(c2090,164.58) 1990,164.58 1990,2 1502,2
GND on Top Layer "Bottom Layer-No Net" (solid, pour order 164): 975,2480 974,2479 265,2479 210,2424 210,1760 233,1737 991,1737 992,1736 992,1737 986,1737 988,1735 988,933 1143,778 1271,778 1271,814 1270,815 1267,812 1151,812 1151,817 1034,934 1033,934 1033,1852 975,1910
GND on Top Layer "Bottom Layer-No Net" (solid, pour order 166): 406,2538 395,2549 395,3027 450,3082 815,3082 997,2900 997,2538
GND on Top Layer "Bottom Layer-No Net" (solid, pour order 168): 1385,3673 1384,3674 389,3674 389,3510.42 cw(c289.01,3510.42) 359.71,3439.71 239.29,3319.29 cw(c168.58,3390) 168.58,3290 6,3290 6,383 7,383 8,382 170.58,382 cw(c170.58,282.01) 241.29,352.71 359.71,234.29 cw(c289.01,163.58) 389,163.58 389,0 1267,0 1351,84 1351,347 1273,425 1273,758 1266,765 1126,765 974,917 974,1688 960,1702 218,1702 182,1738 184,1740 184,2492 314,2622 314,3081 316,3081 359,3124 811,3124 808,3121 961,2968 961,2886 1071,2776 1066,2771 1066,1857 1070,1861 1281,1861 1281,3398 1312,3429 1386,3429 1387,3428 1387,3668
+5 on Bottom Layer "AutoNaming" (solid, pour order 36): 1360,1005 1354,999 1354,838 1363,829 1425,829 1432,836 1432,999 1426,1005
GND on Bottom Layer "AutoNaming" (solid, pour order 42): 1225,963 1244,944 1320,944 1334,958 1334,1082 1318,1098 1317,1097 1241,1097 1225,1081
no net on Bottom Layer "AutoNaming" (solid, pour order 66): 1431.5,1512.5 1431.5,3672.5 1431.5,3693.55 1402.5,3693.55 1402.5,3672.5 1402.5,3412.5 1372.5,3382.5 1372.5,3376.5 1372.5,1750.5 1405.5,1717.5 1405.5,1620.5 1364.5,1579.5 1364.5,1237.5 1365.5,1237.5 1589.5,1013.5 2393.01,1013.5 2393.01,1267.5 1676.5,1267.5
GND on Bottom Layer "AutoNaming" (solid, pour order 156): 2172.66,371.21 2213,386 2393.01,386 2393.01,664 1424,664 1424,661 1419,656 1419,84 1504,-1 1990,-1 1990,110 1990,176.3 2007.75,221.75 2090,304 2134.5,348.5
GND on Bottom Layer "Bottom Layer-No Net" (solid, pour order 170): 976,2482 264,2482 208,2426 208,1760 234,1734 821,1734 924,1837 1010,1837 1010,2479 1008,2481 977,2481
GND on Bottom Layer "Bottom Layer-No Net" (solid, pour order 172): 1002,2538 399,2538 375,2562 375,3115 393,3133 1014,3133 1071,3076 1071,992 1072,993 1072,1000 1329,743 1329,599 1292,562 1100,562 1100,569 1100,564 1095,564 1060,599 1060,899 1042,917 1042,2520 1025,2537 1001,2537
GND on Bottom Layer "Bottom Layer-No Net" (solid, pour order 174): 1384,3668 396,3668 390,3674 390,3597 391,3597 390,3573 ccw(c392.41,3570.59) 389,3570.59 389,3508.42 cw(c289.01,3508.42) 359.71,3437.71 241.29,3319.29 cw(c170.58,3390) 170.58,3290 8,3290 8,388.83 cw(c1.18,388.83) 6,384 ccw(c8.41,386.41) 8.41,383 169.58,383 cw(c169.58,283.01) 240.29,353.71 363,231 cw(c297.83,165.82) 390,165.82 390,-4.04 1266.95,-2.05 1289.5,20.5 1352,83 1352,477 1342,487 1002,487 1004,485 1094,485 974,605 974,1688 958,1704 202,1704 172,1734 172,2444 322,2594 322,3120 385,3183 1067,3183 1109,3141 1109,1857 1283,1857 1285,1855 1291,1861 1291,3414 1309,3432 1386,3432 1386,3667 1383,3670
GND on Bottom Layer "Bottom Layer-No Net" (solid, pour order 176): 1113,1847 1119,1841 1119,1025 1238,906 1441,906 1453,918 1290,1081 1290,1407 1292,1407 1325,1440 1322,1443 1322,1653 1342,1673 1341,1674 1341,1719 1338,1719 1260,1797 1260,1840 1121,1840 1119,1842

## Keep-outs
Keep-Out Layer:
  lines w10: 378.46,3682 378.46,3522 cw(c257.75,3522) 343.11,3436.64 241.82,3335.36 cw(c156.46,3420.71) 156.46,3300 -8,3300 -8,372.46 157,372.46 cw(c157,251.75) 242.36,337.11 343.64,235.82 cw(c258.29,150.46) 379,150.46 379,-9.54 ; 379,-8.46 2000,-8.46 ; 379,3683.54 2001,3683.54 2001,3523.54 ccw(c2121.71,3523.54) 2036.36,3438.18 2137.64,3336.89 ccw(c2223,3422.25) 2223,3301.54 2383,3301.54 2383,373 ; 2000.54,-9 2000.54,151 cw(c2121.25,151) 2035.89,236.36 2137.18,337.64 cw(c2222.54,252.29) 2222.54,373 2382.54,373

## Other copper
Bottom Layer:
  text "TMA Solutions-DC4" at 990,281 h39.37
  text "IOT Dev Group" at 982,183 h39.37

## Silkscreen, mask and mechanical layers (free items; w line width, h text height)
Top Overlay:
  text "IN_3" at 145,3203 h31.5
  text "GND" at 151,3104 h31.5
  text "+5" at 144,3015 h39.37
  text "RST" at 153,2808 h31.5
  text "TEST" at 150,2761 h31.5
  text "GND" at 150,2709 h31.5
  text "+5" at 158,2538 h39.37
  text "3V3" at 159,2333 h31.5
  text "A2" at 154,2217 h31.5
  text "GND" at 160,2118 h31.5
  text "VCC" at 185,1988 h31.5 r90
  text "A1" at 190,1899 h31.5 r90
  text "GND" at 195,1764 h31.5 r90
  text "+5" at 197,1663 h39.37 r90
  text "TMA Solutions-DC4" at 357,281 h39.37
  text "IOT Dev Group" at 485,183 h39.37